# Altium PCB PMTF_Middle_Board.pcbdoc
Units mm, origin at the board's own origin, x right, y up, seen from the top; angles counter-clockwise.
Board outline 59.08 x 59.93 mm, 2 copper layers (Top Layer, Bottom Layer); 44 components, 22 nets, 76 pads, 36 vias.
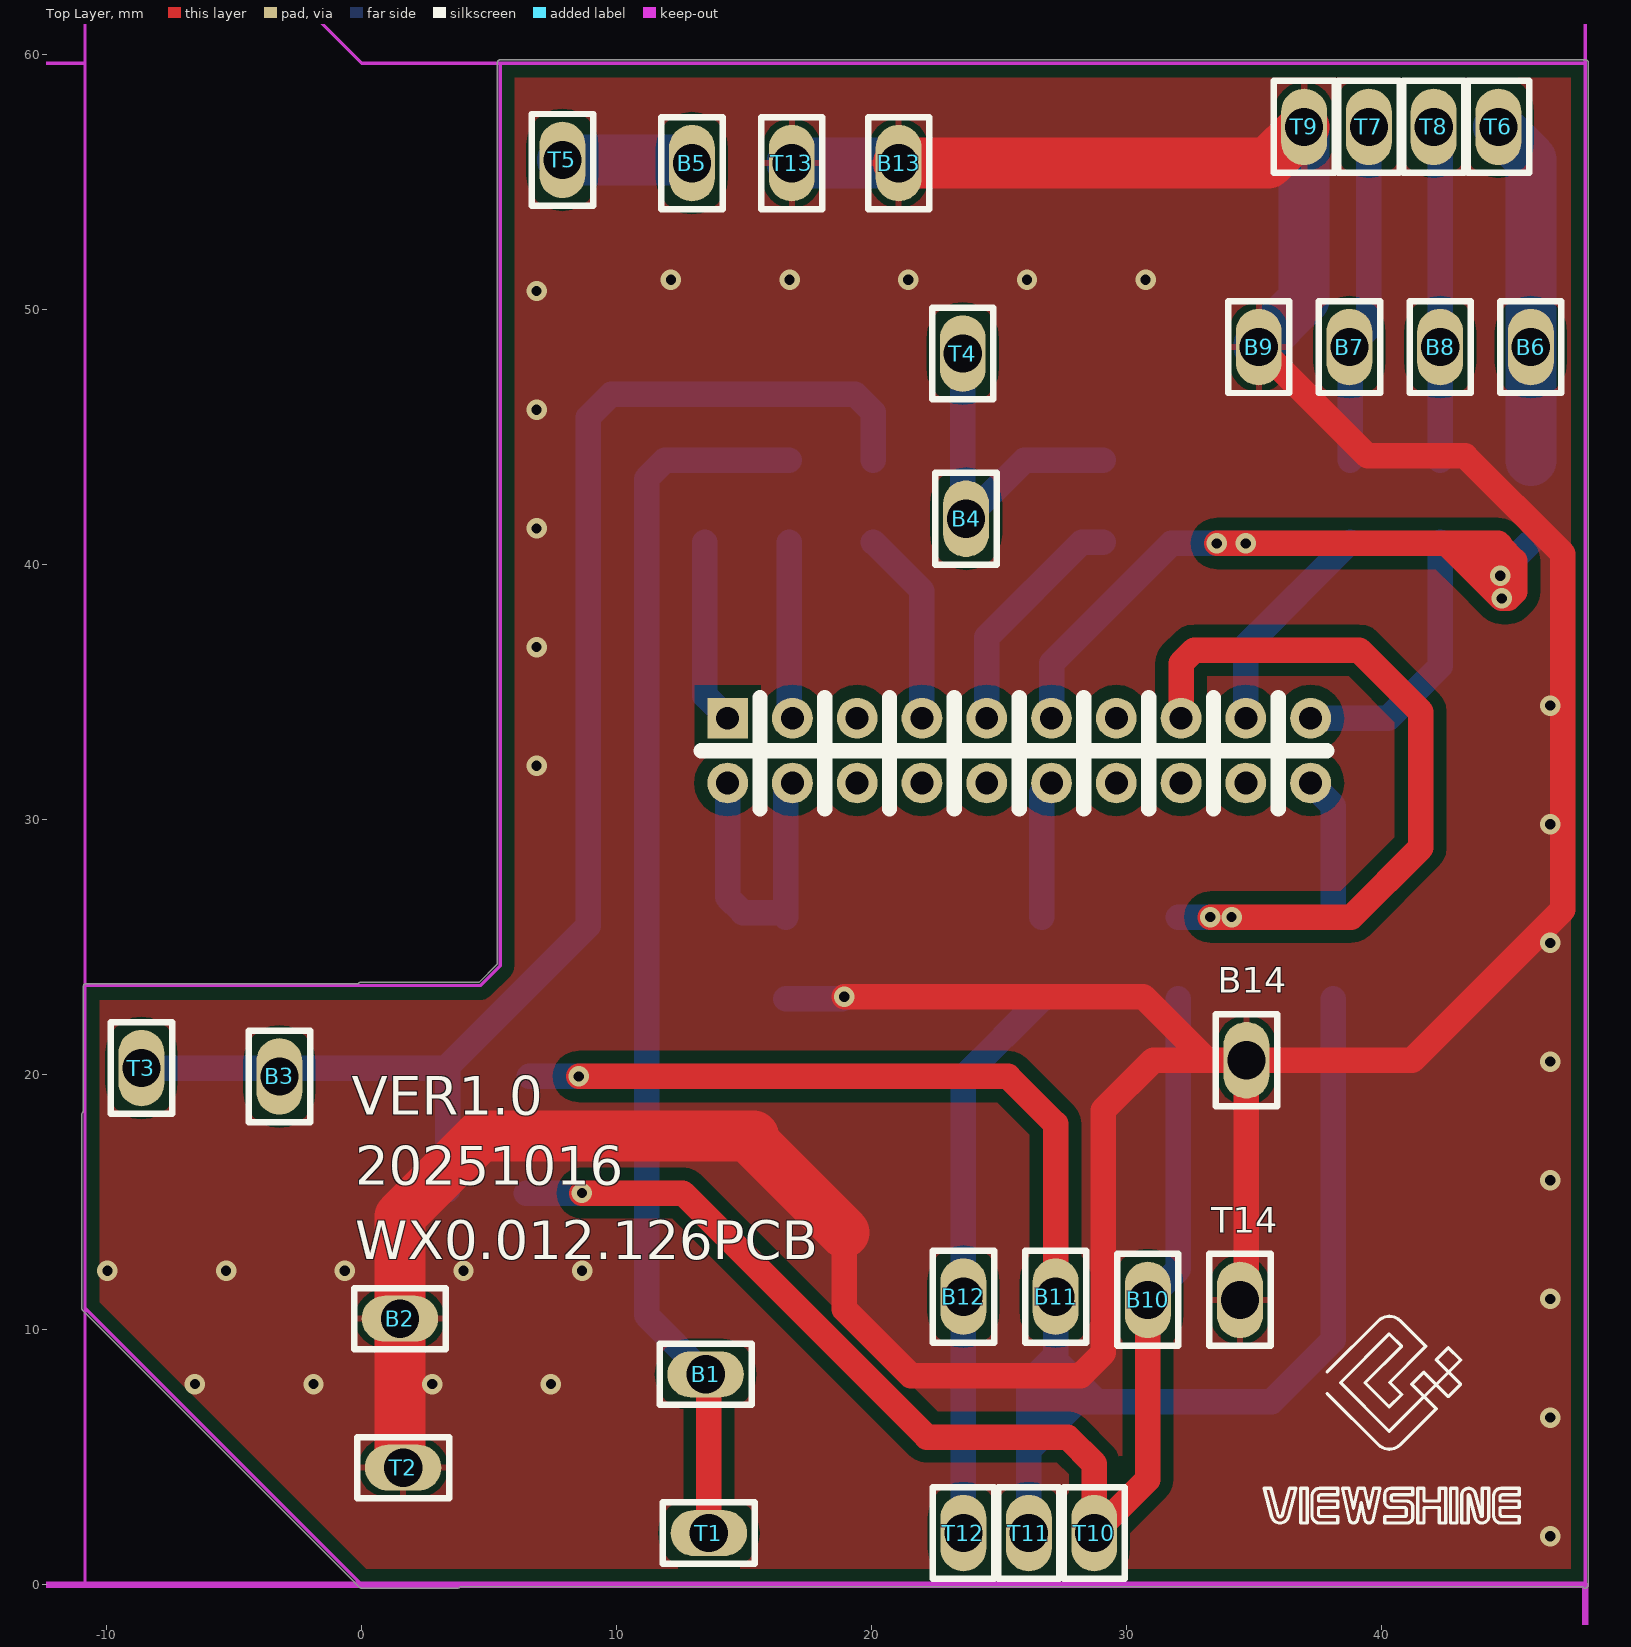
[diagram p0: Top Layer view]
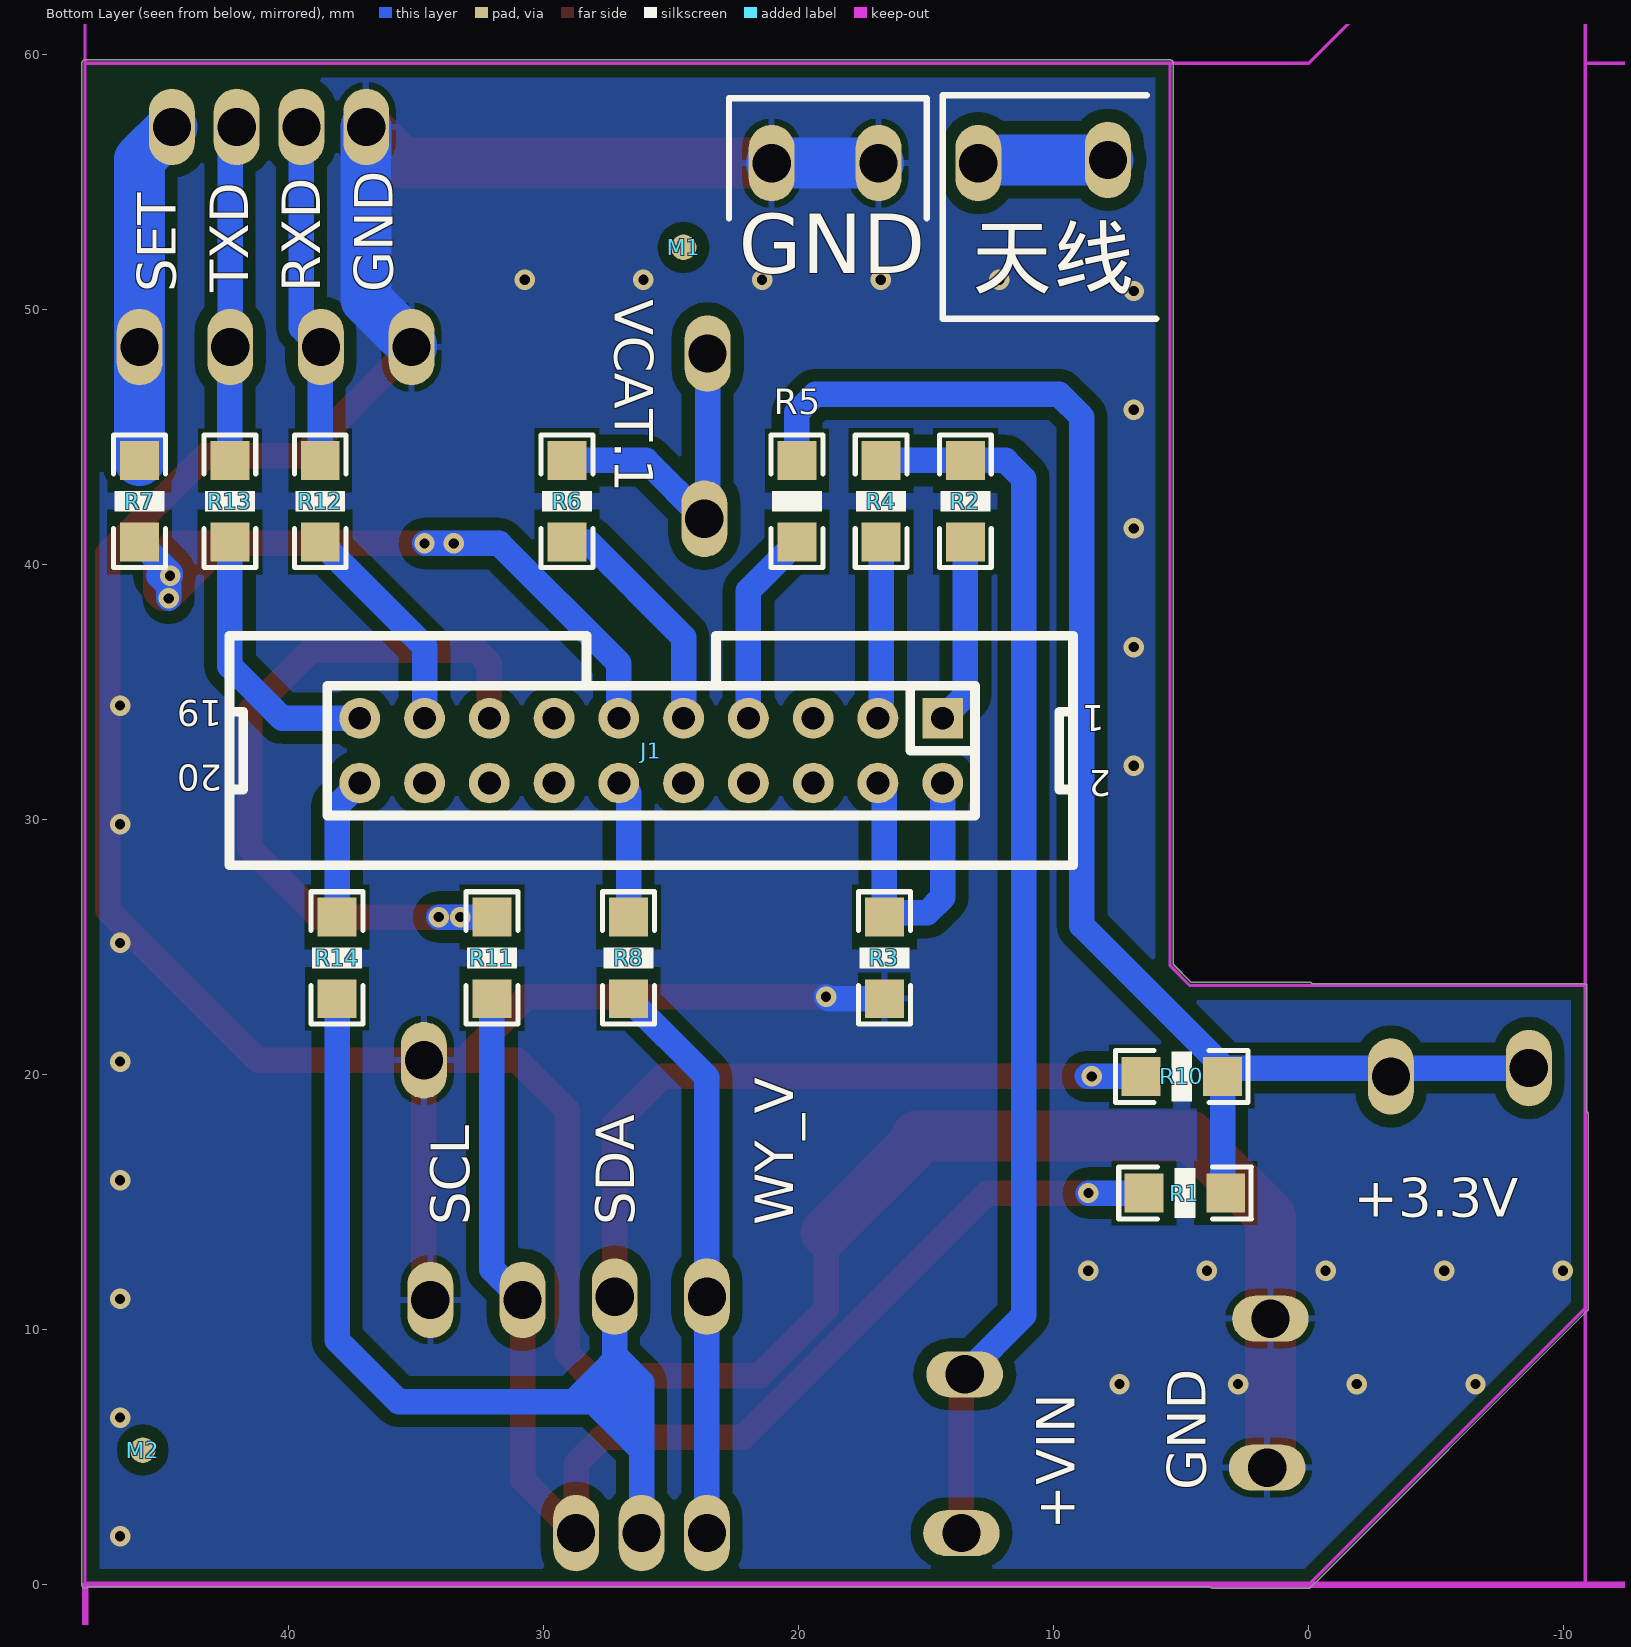
[diagram p1: Bottom Layer view, seen from below]
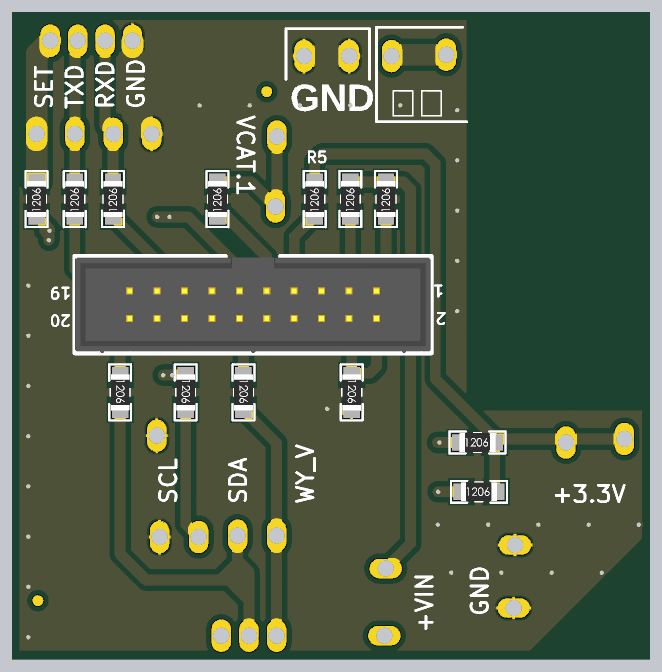
[diagram p2: 3D render of the assembled board from below, using the file's embedded part models]

## Layer stack, top to bottom
Top Solder: solder mask 0.0102, Solder Resist, Dk 3.5
Top Layer: signal copper 0.0356
Dielectric 1: dielectric 0.32, FR-4, Dk 4.8
Bottom Layer: signal copper 0.0356
Bottom Solder: solder mask 0.0102, Solder Resist, Dk 3.5

## Board outline
-10.935,10.755 cw(c-10.846,10.846) -10.973,10.846 -10.973,18.45 cw(c-10.846,18.45) -10.91,18.56 cw(c-10.846,18.45) -10.91,18.56 -10.91,23.5 ccw(c-10.846,23.5) -10.91,23.499 -10.91,23.5 cw(c-10.846,23.5) -10.846,23.564 -0.149,23.564 cw(c-0.039,23.5) -0.039,23.627 4.6,23.627 5.308,24.335 5.308,59.675 cw(c5.436,59.675) 5.436,59.803 47.981,59.803 cw(c47.981,59.675) 48.108,59.675 48.108,0 cw(c47.981,0) 47.871,-0.064 3.872,-0.064 cw(c3.762,0) 3.762,-0.127 0,-0.127 cw(c0,0) -0.091,-0.09 -0.09,-0.09

## Design rules (kind name [scope] priority, off if disabled: settings)
Clearance PolygonToAll [InPolygon] p1: gap=0.5 ignorepadtopadclearanceinfootprint=FALSE
Clearance "Schematic Clearance Constraint_1" [InNet('NetJ1_20')] p2: gap=0.6 ignorepadtopadclearanceinfootprint=FALSE
Clearance "Schematic Clearance Constraint" [InNet('NetJ1_19')] p3: gap=0.6 ignorepadtopadclearanceinfootprint=FALSE
Clearance [All] p4: gap=0.254 ignorepadtopadclearanceinfootprint=FALSE except(0: Arc-Hole Track-Hole SMDPad-Hole THPad-Hole Via-Hole Fill-Hole Poly-Hole Region-Hole Text-Hole)
ComponentClearance [All] p1 off: gap=0.254 collisioncheckmode=3 verticalgap=0.254 showdistances=FALSE
Height [All] p1 off: minheight=0 maxheight=25.4 prefheight=12.7
HoleSize [All] p1 off: absolutevalues=TRUE maxlimit=2.54 minlimit=0.025 maxpercent=80.000 minpercent=20.000
HoleToHoleClearance [All] p1 off: gap=0.254 allowstackedmicrovias=TRUE
LayerPairs [All] p1 off: enforce=TRUE
MinimumSolderMaskSliver [All] p1 off: minsoldermaskwidth=0.254
NetAntennae [All] p1 off: netantennaetolerance=0
PolygonConnect Via [IsVia] p1: connectstyle=Direct reliefconductorwidth=0.254 reliefentries=4 polygonreliefangle="90 Angle" airgapwidth=0.254
PolygonConnect [All] p2: connectstyle=Relief reliefconductorwidth=0.254 reliefentries=4 polygonreliefangle="90 Angle" airgapwidth=0.254
RoomDefinition PMTF_Middle_board [InComponentClass('PMTF_Middle_board')] p1 off: confinementstyle=ConfineIn formatcopy=TRUE lockcomponents=FALSE outline -86.258,-109.195 -35.458,-109.195 -35.458,-83.795 -86.258,-83.795
RoutingVias [All] p1: holewidth=0.711 width=1.27 viastyle="Through Hole" minholewidth=0.711 minwidth=1.27 maxholewidth=0.711 maxwidth=1.27
SilkToSilkClearance [All] p1 off: silktosilkclearance=0.254
SilkToSolderMaskClearance [IsPad] p1 off: minsilkscreentomaskgap=0.254 clearancetoexposedcopper=TRUE
SolderMaskExpansion [All] p1: expansion=0.102
Width [All] p1: maxlimit=10 minlimit=0.254 preferedwidth=0.254
21 further rules are at their usual default settings.

## Components (designator, comment, footprint, x,y, rotation, side; value= is the part's Value field where it differs from the comment)
B1 "备用焊线" TestPoint 13.487,8.255 r90 top
B2 "备用焊线" TestPoint 1.499,10.439 r90 top
B3 "备用焊线" TestPoint -3.226,19.939 r180 top
B4 "备用焊线" TestPoint 23.698,41.808 r0 top
B5 "备用焊线" TestPoint 12.952,55.753 r0 top
B6 "备用焊线" TestPoint 45.847,48.539 r0 top
B7 "备用焊线" TestPoint 38.735,48.539 r0 top
B8 "备用焊线" TestPoint 42.291,48.539 r0 top
B9 "备用焊线" TestPoint 35.179,48.539 r0 top
B10 "备用焊线" TestPoint 30.827,11.176 r0 top
B11 "备用焊线" TestPoint 27.212,11.303 r0 top
B12 "备用焊线" TestPoint 23.597,11.303 r0 top
B13 "备用焊线" TestPoint 21.057,55.753 r0 top
B14 "备用焊线" TestPoint 34.696,20.574 r0 top
J1 "DC254_2*10" IDC2.54-LI-2x10P 14.351,33.985 r0 bottom locked
M1 "MARK" MARK 24.511,52.451 r180 bottom
M2 "MARK" MARK 45.72,5.283 r180 bottom
R1 "10K" R-1206 4.851,15.367 r0 bottom
R2 "0R" R-1206 13.462,42.494 r270 bottom
R3 "0R" R-1206 16.637,24.587 r90 bottom
R4 "NC" R-1206 16.764,42.494 r270 bottom
R5 "0R" R-1206 20.066,42.494 r270 bottom
R6 "0R" R-1206 29.083,42.494 r270 bottom
R7 "0R" R-1206 45.847,42.494 r270 bottom
R8 "0R" R-1206 26.67,24.587 r90 bottom
R10 "10K" R-1206 4.978,19.939 r0 bottom
R11 "0R" R-1206 32.027,24.587 r90 bottom
R12 "0R" R-1206 38.76,42.494 r270 bottom
R13 "0R" R-1206 42.304,42.494 r270 bottom
R14 "100Ω" R-1206 38.1,24.587 r90 bottom
T1 "顶针" TestPoint 13.614,2.032 r90 top locked
T2 "顶针" TestPoint 1.626,4.597 r90 top locked
T3 "顶针" TestPoint -8.636,20.269 r0 top locked
T4 "顶针" TestPoint 23.571,48.285 r0 top locked
T5 "顶针" TestPoint 7.872,55.88 r0 top locked
T6 "顶针" TestPoint 44.577,57.175 r0 top locked
T7 "顶针" TestPoint 39.497,57.175 r0 top locked
T8 "顶针" TestPoint 42.037,57.175 r0 top locked
T9 "顶针" TestPoint 36.957,57.175 r0 top locked
T10 "顶针" TestPoint 28.727,2.032 r0 top locked
T11 "顶针" TestPoint 26.162,2.032 r0 top locked
T12 "顶针" TestPoint 23.597,2.032 r0 top locked
T13 "顶针" TestPoint 16.866,55.753 r0 top locked
T14 "顶针" TestPoint 34.442,11.176 r0 top locked

## Footprints (in the part's own frame and the unit in brackets; to place one, negate y for a bottom-side part, rotate by r counter-clockwise, add the part's x,y. Pads: shape width x height; smd on the part's side, far side on the other; paste and mask are expansions set on the pad)
IDC2.54-LI-2x10P [mm] "20P简易牛角座"
  rect 1.6x1.6 hole 0.9: 1(0,0)
  round 1.6 hole 0.9: 2(0,2.54) 3(2.54,0) 4(2.54,2.54) 5(5.08,0) 6(5.08,2.54) 7(7.62,0) 8(7.62,2.54) 9(10.16,0) 10(10.16,2.54) 11(12.7,0) 12(12.7,2.54) 13(15.24,0) 14(15.24,2.54) 15(17.78,0) 16(17.78,2.54) 17(20.32,0) 18(20.32,2.54) 19(22.86,0) 20(22.86,2.54)
  silkscreen extent -5.11,-3.23 27.97,5.77, body extent -5.08,-3.08 27.94,5.77, height 9.17
MARK [mm] "SIGN"
  round 1 smd paste-1: 1(0,0)
R-1206 [mil] "SMD ,RESISTOR,"
  rect 60x60 smd: 1(-62.99,0) 2(62.99,0)
  silkscreen extent -102,-40 102,40, body extent -66,-34 66,34, height 33
TestPoint [mm]
  oval 1.8x3 hole 1.5: 1(0,0)
  silkscreen extent -1.2,-1.8 1.2,1.8

## Part data
B1 B2 B3 B4 B5 B6 B7 B8 B9 B10 B11 B12 B13 T1 T2 T3 T4 T5 T6 T7 T8 T9 T10 T11 T12 T13: library part AD_WXHJ_TEST-POINT_01, "通孔测试点", Part Name=²âÊ, ID=24, Part Number=AD_WXHJ_TEST-POINT_01, SMD/DIP=SMD
B14 T14: library part AD_WXHJ_TEST-POINT_01, "通孔测试点", Part Name=测?, ID=24, Part Number=AD_WXHJ_TEST-POINT_01, SMD/DIP=SMD
J1: library part 1010902-0139, "DC2 2.54mm 2x10pin,2.54mm间距，2x10pin，32×8.55×27.5mm,母头,双排,双排牛角座", Part Name=DCÅ£½, ID=4, Part Number=1010902-0139, SMD/DIP=DIP
M1 M2: "MARK点"
R1 R2 R3 R4 R6 R7 R8 R10 R11 R12 R13 R14: library part 101010101-0013, "0Ω,±5%,1/4W,1206,国巨,RC1206JR-070RL", Part Name=1206贴片, ID=2, Part Number=101010101-0013, SMD/DIP=SMD
R5: library part 101010101-0013, "0Ω,±5%,1/4W,1206,国巨,RC1206JR-070RL", Part Name=1206ÌùÆ, ID=2, Part Number=101010101-0013, SMD/DIP=SMD

## Via types
v1: diameter 0.8, hole 0.4, Top Layer to Bottom Layer, tented both sides, 36 vias

## Nets (pads, with @x,y where several pads share a name; then routed paths per layer and width w, separated by ;. In a path a pad name is that pad's centre, name@x,y a point inside that pad or via, vN(x,y) a via of type N, cw(c..) or ccw(c..) an arc to the next point about the centre after c; other vN are vias at no path point)
+3.3V: B3.1 R1.1 R5.1 R10.1 T3.1 | length 58
  Bottom Layer w1: T3.1 R10.1@3.048,20.269 ; R1.1@3.378,15.494 R10.1 3.378,20.346 8.89,25.857 8.89,45.796 9.779,46.685 19.358,46.685 20.066,45.977 R5.1
+CAT1_V: B4.1 R6.1 T4.1 | length 12.7
  Bottom Layer w1: B4.1@23.571,41.935 T4.1 ; B4.1 25.984,44.094 R6.1
Antena: B5.1 T5.1 | length 5
  Bottom Layer w2: T5.1 B5.1@12.825,55.88
DebugSet: B6.1 R7.1 T6.1 | length 13.6
  Bottom Layer w2: T6.1 45.847,55.905 B6.1 R7.1
GND: B2.1 B9.1 B13.1 B14.1 R3.1 T2.1 T9.1 T13.1 T14.1 | length 161.6
  Top Layer w1: 18.923,13.818 18.923,10.816 21.535,8.204 28.194,8.204 29.083,9.093 29.083,18.618 31.039,20.574 33.147,20.574 ; v1(18.923,23.063) 30.658,23.063 33.147,20.574 ; T14.1@34.696,11.43 B14.1 ; B9.1 39.446,44.272 43.269,44.272 47.1,40.442 47.1,26.475 41.199,20.574 B14.1 ; 33.147,20.574 B14.1
  Top Layer w2: T2.1@1.499,4.724 B2.1 1.499,14.453 4.648,17.602 15.367,17.602 15.367,17.374 18.923,13.818 ; B13.1 35.535,55.753 T9.1
  Bottom Layer w1: R3.1 18.847,22.987 v1(18.923,23.063)
  Bottom Layer w2: T13.1 B13.1 ; B9.1 35.179,48.63 36.957,50.408 T9.1
  other v1: 46.609,1.905 46.609,6.559 -6.542,7.874 -1.888,7.874 2.766,7.874 7.419,7.874 46.609,11.213 -9.971,12.319 -5.317,12.319 -0.663,12.319 3.99,12.319 8.644,12.319 46.609,15.867 46.609,20.521 46.609,25.174 46.609,29.828 6.858,32.123 46.609,34.482 6.858,36.777 6.858,41.43 6.858,46.084 6.858,50.738 12.127,51.181 16.781,51.181 21.435,51.181 26.088,51.181 30.742,51.181
NetJ1_1: J1.1 R2.2 | length 7.3
  Bottom Layer w1: R2.2 13.462,34.874 J1.1
NetJ1_2: J1.2 J1.4 R3.2 | length 12.1
  Bottom Layer w1: J1.2 14.351,26.962 14.948,26.365 16.459,26.365 R3.2 J1.4@16.637,31.191
NetJ1_3: J1.3 R4.2 | length 6.8
  Bottom Layer w1: J1.3@16.764,34.112 R4.2
NetJ1_7: J1.7 R5.2 | length 7.7
  Bottom Layer w1: R5.2 21.971,38.989 J1.7
NetJ1_9: J1.9 R6.2 | length 9.3
  Bottom Layer w1: J1.9 24.511,37.16 28.245,40.894 R6.2
NetJ1_11: J1.11 R7.2 | length 35.4
  Top Layer w1: v1(33.528,40.843) v1(34.671,40.843) 42.545,40.843 ; v1(44.647,39.573) 44.647,40.208 ; v1@44.704,39.192 v1(44.704,38.684) ; 42.545,40.843 44.526,40.843 ; 42.545,40.843 43.561,39.827 ; 43.561,39.827 v1(44.704,38.684) ; 43.561,39.827 43.561,40.335 44.52,40.335 44.647,40.208 ; 44.526,40.843 44.577,40.843 44.647,40.773 44.647,40.722 ; 44.526,40.843 44.647,40.722 ; 44.647,40.208 44.647,40.722 ; 44.647,40.722 45.212,40.157 45.212,38.938 44.958,38.684 v1(44.704,38.684)
  Bottom Layer w1: J1.11 27.051,36.144 31.75,40.843 v1(33.528,40.843) v1(34.671,40.843) ; v1(44.704,38.684) 44.704,39.192 45.085,39.573 v1(44.647,39.573) 44.647,39.694 R7.2
NetJ1_12: J1.12 R8.2 | length 4.9
  Bottom Layer w1: R8.2 J1.12@26.67,31.064
NetJ1_15: J1.15 R11.2 | length 29.6
  Top Layer w1: J1.15 32.131,36.144 32.639,36.652 39.116,36.652 41.529,34.239 41.529,28.905 38.811,26.187 v1(34.112,26.187) v1(33.274,26.187)
  Bottom Layer w1: R11.2 v1(33.274,26.187) v1(34.112,26.187)
NetJ1_17: J1.17 R12.2 | length 8.6
  Bottom Layer w1: J1.17 34.671,36.805 R12.2
NetJ1_19: J1.19 R13.2 | length 10.8
  Bottom Layer w1: J1.19 40.259,33.985 42.304,36.03 R13.2
NetJ1_20: J1.20 R14.2 | length 5.6
  Bottom Layer w1: J1.20 38.1,30.556 R14.2
Rxd: B7.1 R12.1 T7.1 | length 13.4
  Bottom Layer w1: B7.1 39.497,49.301 T7.1 ; R12.1 B7.1@38.76,48.514
SCL: B10.1 R1.2 R11.1 T10.1 | length 51.7
  Top Layer w1: v1(8.636,15.367) 12.598,15.367 22.168,5.797 27.68,5.797 28.727,4.75 T10.1 30.827,4.132 B10.1
  Bottom Layer w1: R1.2 v1(8.636,15.367) ; B10.1 32.027,12.376 R11.1
SDA: B11.1 R10.2 R14.1 T11.1 | length 70
  Top Layer w1: v1(8.509,19.939) 25.349,19.939 27.212,18.076 B11.1
  Bottom Layer w1: R10.2 v1(8.509,19.939) v1@8.687,19.939 ; T11.1 26.162,5.283 ; B11.1 27.212,9 ; R14.1 38.1,9.601 35.687,7.188 28.829,7.188 ; 26.162,5.283 26.162,6.617 ; 26.162,5.283 28.067,7.188 28.829,7.188 ; 26.162,6.617 26.162,7.95 27.212,9 ; 26.162,6.617 27.686,8.141 27.686,8.331 ; 27.212,9 27.212,8.805 27.686,8.331 ; 27.686,8.331 28.829,7.188
Txd: B8.1 R13.1 T8.1 | length 13.2
  Bottom Layer w1: T8.1 42.291,56.921 B8.1 ; R13.1 B8.1@42.304,48.527
VIN: B1.1 R2.1 R4.1 T1.1 | length 48.1
  Top Layer w1: T1.1 B1.1@13.614,8.128
  Bottom Layer w1: B1.1 11.176,10.566 11.176,43.383 11.887,44.094 R2.1 R4.1
WY_V: B12.1 R8.1 T12.1 | length 22.2
  Bottom Layer w1: T12.1 B12.1 23.597,19.914 R8.1
pads on no net: J1.5 J1.6 J1.8 J1.10 J1.13 J1.14 J1.16 J1.18 M1.1 M2.1

## Polygon pours and split planes (outlines as drawn)
GND on Top Layer "TopGndPolygon" (solid, remove dead copper, pour order 0): 0,0 -10.846,10.846 -10.846,23.5 4.653,23.5 5.436,24.282 5.436,59.675 47.98,59.675 47.981,59.675 47.981,0 47.98,0
GND on Bottom Layer "BottomGndPolygon" (solid, remove dead copper, pour order 2): 0,0 -10.846,10.846 -10.846,23.5 4.653,23.5 5.436,24.282 5.436,59.675 47.98,59.675 47.981,59.675 47.981,0 47.98,0

## Keep-outs
Keep-Out Layer:
  lines w0.127: 47.981,59.675 3.762,59.675 0,59.675 -10.846,70.521 -10.846,78.125 ; -69.672,18.45 -69.672,23.5 ; -69.672,18.45 -69.672,23.5 ; -69.672,18.45 -69.672,10.845 -58.826,0 -55.065,0 -10.846,0 -10.846,59.675 ; -69.672,23.5 -58.866,23.5 -54.173,23.5 -53.391,24.282 -53.391,59.675 -10.846,59.675 ; -69.672,78.125 -69.672,83.175 ; -69.672,78.125 -69.672,83.175 ; -69.672,78.125 -69.672,70.52 -58.826,59.675 -55.065,59.675 -10.846,59.675 ; -69.672,83.175 -58.866,83.175 -54.173,83.175 -53.391,83.957 -53.391,119.35 -10.846,119.35 -10.846,59.675 ; -10.846,18.45 -10.846,10.846 0,0 3.762,0 47.981,0 47.981,59.675 ; -10.846,18.45 -10.846,23.5 ; -10.846,18.45 -10.846,23.5 ; -10.846,23.5 -0.039,23.5 4.653,23.5 5.436,24.282 5.436,59.675 47.981,59.675 ; -10.846,78.125 -10.846,83.175 ; -10.846,78.125 -10.846,83.175 ; -10.846,83.175 -0.039,83.175 4.653,83.175 5.436,83.957 5.436,119.35 47.981,119.35 47.981,59.675
  lines w0.254: -69.672,-5 47.981,-5 47.981,0 -69.672,0 -69.672,-5 ; -69.672,119.35 -69.672,124.35 47.981,124.35 47.981,119.35 -69.672,119.35

## Silkscreen, mask and mechanical layers (free items; w line width, h text height)
Top Overlay:
  lines w0.127: 37.562,2.424 38.272,2.424 38.272,2.678 37.618,2.678 cw(c37.618,2.776) 37.521,2.776 37.521,3.031 38.272,3.031 38.272,3.285 37.521,3.285 37.521,3.434 cw(c37.618,3.434) 37.618,3.532 38.272,3.532 38.272,3.786 37.562,3.786 ; 37.563,2.424 cw(c37.562,2.72) 37.266,2.72 37.266,3.49 cw(c37.562,3.49) 37.563,3.786 ; 37.865,7.502 39.873,5.495 ccw(c40.297,5.919) 40.721,5.495 42.137,6.91 41.182,7.866 41.655,8.339 42.61,7.383 43.093,7.867 42.139,8.821 ; 37.865,8.351 39.873,10.359 cw(c40.297,9.935) 40.722,10.359 41.73,9.351 ; 38.385,7.926 40.298,9.839 ; 38.385,7.927 40.298,6.014 ; 39.346,2.548 39.197,3.218 39.047,2.548 cw(c38.892,2.583) 38.737,2.548 38.46,3.787 38.714,3.787 38.892,2.993 39.069,3.787 39.324,3.787 39.501,2.993 39.679,3.787 39.933,3.787 39.656,2.548 ; 39.346,2.549 ccw(c39.501,2.583) 39.656,2.549 ; 40.294,6.978 40.782,7.466 40.311,7.936 41.728,9.353 ; 40.294,6.017 43.097,8.82 42.616,9.3 42.138,8.822 ; 40.297,9.839 40.778,9.359 39.346,7.927 40.298,6.974 ; 40.361,3.03 40.891,3.03 cw(c40.891,2.955) 40.966,2.955 40.966,2.753 ; 40.361,3.786 41.221,3.786 41.221,3.532 40.451,3.532 ccw(c40.451,3.457) 40.376,3.456 40.376,3.36 ccw(c40.451,3.36) 40.451,3.285 40.981,3.285 cw(c40.981,3.045) 41.221,3.029 ; 40.361,3.03 cw(c40.361,3.27) 40.121,3.27 40.121,3.546 cw(c40.361,3.546) 40.361,3.786 ; 40.966,2.753 cw(c40.891,2.753) 40.891,2.678 40.121,2.678 40.121,2.423 40.981,2.423 ccw(c40.981,2.663) 41.221,2.679 ; 41.221,2.663 41.221,3.045 ; 36.824,2.424 37.078,2.424 ; 36.824,2.424 36.824,3.787 ; 36.824,2.424 36.824,3.787 ; 36.824,2.424 37.078,2.424 ; 36.824,3.787 37.078,3.787 37.078,2.424 ; 35.392,3.787 35.69,2.673 ccw(c36.014,2.759) 36.338,2.673 36.636,3.787 36.381,3.787 36.099,2.736 cw(c36.014,2.759) 35.928,2.736 35.647,3.787 35.392,3.787 ; 41.409,2.424 41.409,3.787 41.663,3.787 41.663,3.285 42.253,3.285 42.253,3.787 42.508,3.787 42.508,2.424 42.253,2.424 42.253,3.031 41.663,3.031 41.663,2.424 41.409,2.424 ; 42.696,2.424 42.696,3.787 42.95,3.787 42.95,2.424 42.696,2.424 ; 43.138,2.424 43.138,3.518 cw(c43.407,3.518) 43.667,3.587 43.907,2.693 ccw(c43.925,2.698) 43.944,2.698 43.944,3.787 44.198,3.787 44.198,2.693 cw(c43.93,2.693) 43.67,2.624 43.43,3.518 ccw(c43.412,3.513) 43.393,3.513 43.393,2.424 43.138,2.424 ; 44.387,2.72 ccw(c44.683,2.72) 44.683,2.424 45.392,2.424 45.392,2.678 44.738,2.678 cw(c44.738,2.776) 44.641,2.776 44.641,3.031 45.392,3.031 45.392,3.285 44.641,3.285 44.641,3.434 cw(c44.738,3.434) 44.739,3.532 45.392,3.532 45.392,3.786 44.682,3.786 ccw(c44.683,3.49) 44.387,3.49 44.387,2.72
  text "VER1.0" at -0.381,18.44 h1.52
  text "20251016" at -0.254,15.697 h1.52
  text "WX0.012.126PCB" at -0.254,12.776 h1.52
Bottom Overlay:
  lines w0.254: 5.967,49.657 14.349,49.657 14.349,58.42 6.348,58.42 ; 14.984,53.594 14.984,58.293 22.731,58.293 22.731,53.594
  text "GND" at 35.916,50.698 h1.52 r270
  text "RXD" at 38.752,50.698 h1.52 r270
  text "TXD" at 41.588,50.698 h1.52 r270
  text "SET" at 44.425,50.698 h1.52 r270
  text "GND" at 22.35,50.673 h4
  text "VCAT.1" at 27.212,50.419 h1.52 r90
  text "天线" at 13.206,50.165 h4
  text "+3.3V" at -1.778,14.427 h1.52
  text "WY_V" at 20.218,14.097 h1.52 r270
  text "SDA" at 26.441,14.097 h1.52 r270
  text "SCL" at 32.918,14.097 h1.52 r270
  text "GND" at 4.039,3.708 h1.52 r270
  text "+VIN" at 9.169,2.159 h1.52 r270
Mechanical 1:
  lines w0.254: 47.98,0 0,0 -10.846,10.846 -10.846,23.5 4.653,23.5 5.436,24.282 5.436,59.675 47.98,59.675 47.981,59.675 47.981,0 ; 47.98,0 47.981,0
Mechanical 15:
  circle w0.254: c44.577,57.175 r1.203
  circle w0.254: c42.037,57.175 r1.203
  circle w0.254: c39.497,57.175 r1.203
  circle w0.254: c36.957,57.175 r1.203
  circle w0.254: c7.872,55.88 r0.508
  circle w0.254: c23.597,2.032 r1.203
  circle w0.254: c26.162,2.032 r1.203
  circle w0.254: c28.727,2.032 r1.203
  circle w0.254: c13.614,2.032 r1.203
  circle w0.254: c1.626,4.597 r1.203
  circle w0.254: c-8.636,20.269 r1.203
  circle w0.254: c23.571,48.285 r1.203
  lines w0.254: 47.981,59.675 47.981,0 0,0 -10.846,0 -10.846,10.846 -10.846,59.675 47.98,59.675 ; 47.98,59.675 47.981,59.675

## Text inside footprints (layer, text, board x,y; h text height)
J1: Bottom Overlay "2" at 7.747,31.953 h1.02 r180; Bottom Overlay "1" at 8.001,34.493 h1.02 r180; Bottom Overlay "20" at 42.596,32.156 h1.02 r180; Bottom Overlay "19" at 42.596,34.696 h1.02 r180